# Altium PCB HIL_RIG_REV_1_2.PcbDoc (part 12 of 14)
Units mil, origin at the board's own origin, x right, y up, seen from the top; angles counter-clockwise.
Board outline 9845 x 7590 mil, 6 copper layers (Top Layer, Int1 (GND), Int2 (PWR), Int3 (Sign), Int4 (GND), Bottom Layer), stack 60.566 mil thick; 1465 components, 731 nets, 4058 pads, 3944 vias.
Unrouted connection lines stored in the file: 1754.
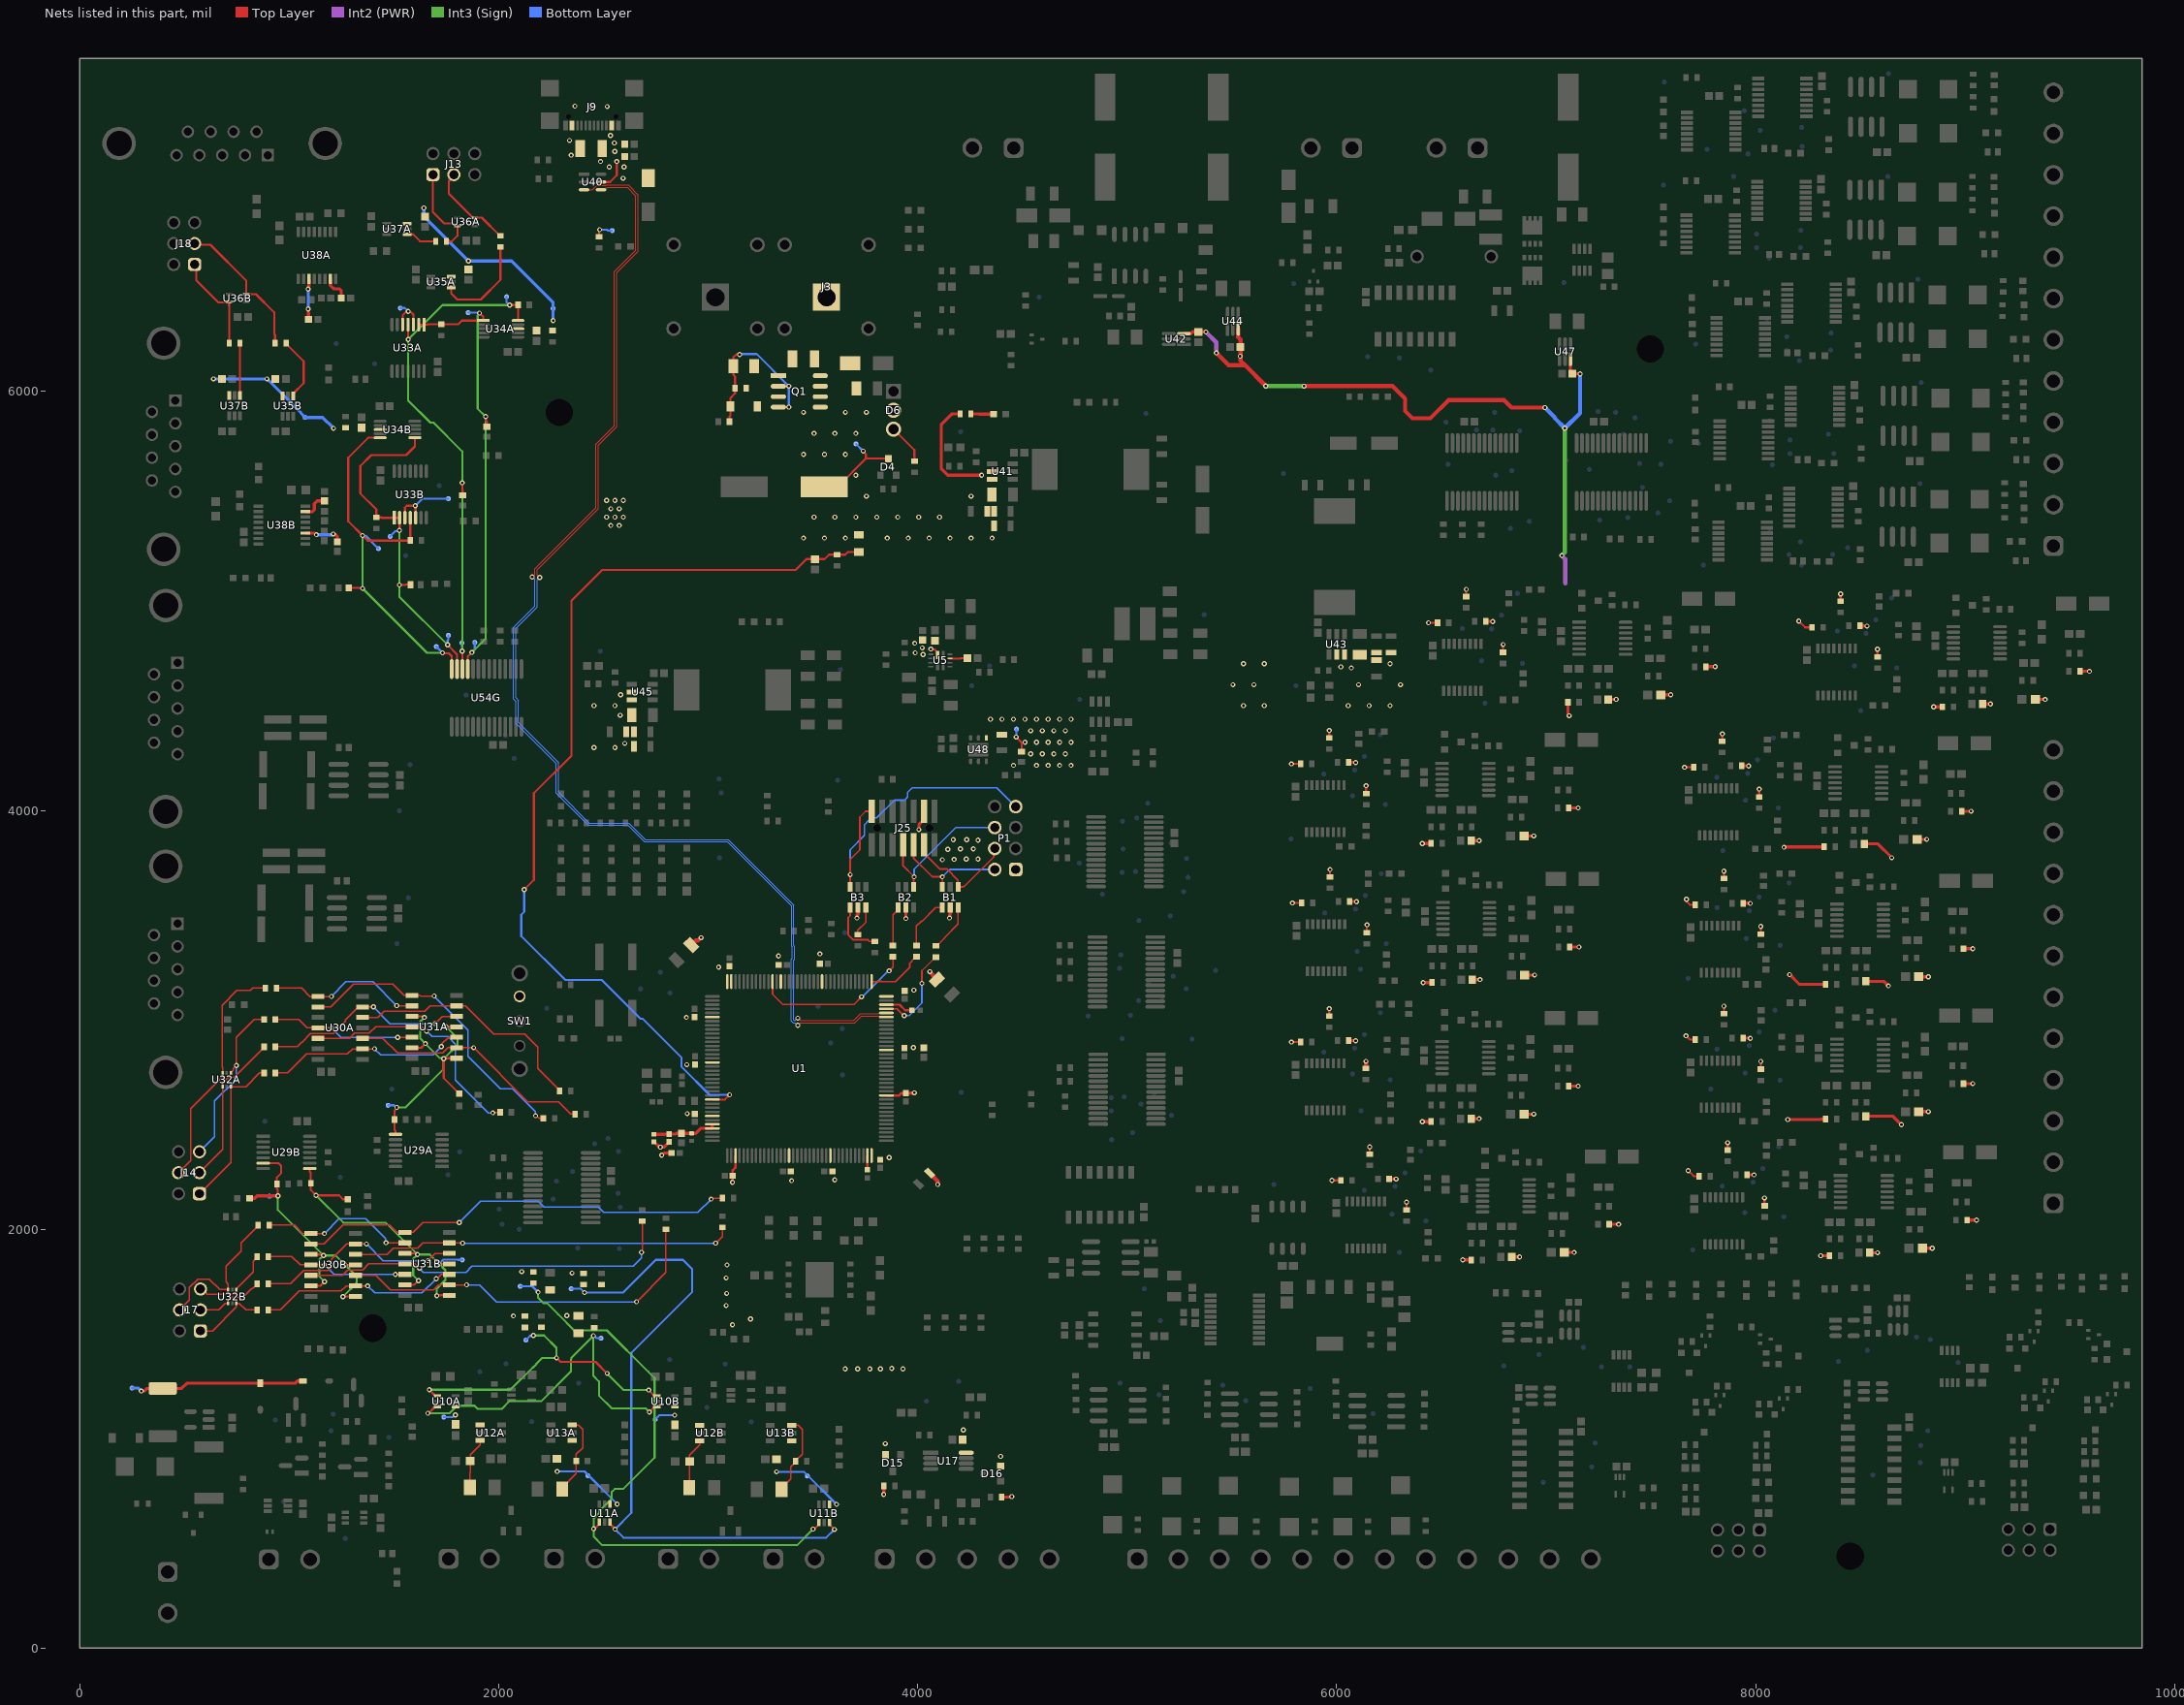
[diagram p16: the nets of this part, all layers, seen from the top]

## Via types
v1: diameter 24, hole 12, Top Layer to Bottom Layer, tented both sides, 3944 vias

## Nets (pads, with @x,y where several pads share a name; then routed paths per layer and width w, separated by ;. In a path a pad name is that pad's centre, name@x,y a point inside that pad or via, vN(x,y) a via of type N, cw(c..) or ccw(c..) an arc to the next point about the centre after c; other vN are vias at no path point) (continued)
SPI_MASTER_N_ENABLEB: D47C.1 R85B.2 TP48B.1 U29B.6 U30B.1 U30B.4 U30B.10 U30B.13 | length 1504.2
  Top Layer w10: U29B.6@876.05,2315.82 948.18,2315.82 962,2302 962,2268 941.36,2247.36 R85B.2@941.36,2216.98 941.36,2192.99 946,2188.35 v1(946,2160) ; U30B.13@1106.98,1730.04 1148.67,1730.04 v1(1168.67,1750.04) ; U30B.10@1106.98,1880.04 1154.88,1880.04 1159.88,1875.04 v1(1163.67,1875.04) ; v1(1256,1678) 1258.04,1680.04 U30B.1@1316.63,1680.04 ; v1(1267,1830.04) U30B.4@1313.67,1830.04
  Top Layer w15: D47C.1@811.53,2148 835.28,2148 847.28,2160 v1(946,2160)
  Int3 (Sign) w10: v1(946,2160) 946,2092.72 v1(1163.67,1875.04) ; v1(1168.67,1750.04) 1143.67,1775.04 1143.67,1855.04 v1(1163.67,1875.04) ; v1(1256,1678) 1322,1744 1322,1775.04 v1(1267,1830.04) 1222,1875.04 v1(1163.67,1875.04)
  Bottom Layer w10: TP48B.1@906,2158 944,2158 v1(946,2160)
SPI_MISO_OUT_UNPROTECTEDA: R88A.1 U30A.2 U31A.3 | length 960.1
  Top Layer w6.12: R88A.1@939.56,2746.72 992,2746.72 1082,2836.72 1277.28,2836.72 1302.28,2861.72 U30A.2@1349.95,2861.72 v1(1407.33,2861.67) ; v1(1726,2872) 1729.42,2875.42 1729.42,2886.35 1759.79,2916.72 U31A.3@1798.3,2916.72
  Bottom Layer w6.12: v1@1407.43,2861.67 1437.11,2832 1686,2832 v1(1726,2872)
SPI_MISO_OUT_UNPROTECTEDB: R88B.1 U30B.2 U31B.3 | length 957.2
  Top Layer w6.12: R88B.1@906.23,1615.04 958.67,1615.04 1048.67,1705.04 1246.96,1705.04 1271.96,1730.04 U30B.2@1316.63,1730.04 ; U30B.2@1316.63,1730.04 v1(1374,1730) ; v1(1702,1764) 1705.42,1764 1726.46,1785.04 U31B.3@1764.97,1785.04
  Bottom Layer w6.12: v1@1374.11,1730 1408.11,1696 1634,1696 v1(1702,1764)
SPI_MISO_OUTA: J14.1 R88A.2 U32A.6 | length 759
  Top Layer w6.12: J14.1@571.65,2170 721.69,2320.03 U32A.6@721.69,2681.01 793.68,2681.01 859.39,2746.72 R88A.2@880.36,2746.72
SPI_MISO_OUTB: J17.1 R88B.2 U32B.6 | length 347.8
  Top Layer w6.12: J17.1@576.65,1515 634.02,1515 747.85,1628.82 U32B.6@747.85,1646.17 761.75,1646.17 792.88,1615.04 R88B.2@847.03,1615.04
SPI_MISOA: R198.1 U30A.3 U31A.2 | length 1188.9
  Top Layer w6.12: U30A.3@1347,2911.72 1447,2911.72 1517,2841.72 1733.72,2841.72 1758.72,2866.72 U31A.2@1798.3,2866.72 v1(1880.33,2866.72) 2139.04,2608 2286.39,2608 2344.39,2550 R198.1@2365.36,2550
SPI_MISOB: R193.1 U30B.3 U31B.2 | length 1821.2
  Top Layer w6.12: U30B.3@1313.67,1780.04 1413.67,1780.04 1483.67,1710.04 1688.04,1710.04 1700,1722 1713.04,1735.04 U31B.2@1764.97,1735.04 v1(1847,1735.04) ; v1(2658,1654) 2797.71,1793.71 2797.71,1978.75 2798,1979.03 R193.1@2798,2000
  Bottom Layer w6.12: v1(1847,1735.04) 1908.96,1735.04 1990,1654 v1(2658,1654)
SPI_MOSI_OUT_UNPROTECTEDA: R89A.1 U30A.6 U31A.5 | length 991.6
  Top Layer w6.12: R89A.1@933.64,2871.72 1039.13,2871.72 1060.77,2893.36 1061.12,2893.36 1102.29,2934.53 1210.17,2934.53 1268.4,2992.76 1268.4,2998.86 1331.25,3061.72 v1(1402,3061.72) ; v1(1695.33,2981.72) 1730.33,3016.72 U31A.5@1795.35,3016.72
  Bottom Layer w6.12: v1(1402,3061.72) 1482,2981.72 v1(1695.33,2981.72)
SPI_MOSI_OUT_UNPROTECTEDB: R89B.1 U30B.6 U31B.5 | length 1011.5
  Top Layer w6.12: R89B.1@900.32,1740.04 1005.8,1740.04 1027.45,1761.69 1027.79,1761.69 1068.59,1802.49 1186.49,1802.49 1200,1816 1200,1856 1244.91,1900.91 1274.04,1930.04 U30B.6@1316.63,1930.04 v1(1368.67,1930.04) ; v1(1662,1850.04) 1697,1885.04 U31B.5@1762.02,1885.04
  Bottom Layer w6.12: v1(1368.67,1930.04) 1448.67,1850.04 v1(1662,1850.04)
SPI_MOSI_OUTA: J14.3 R89A.2 U32A.4 | length 745.8
  Top Layer w6.12: J14.3@571.65,2270 682.31,2380.66 U32A.4@682.31,2681.01 682.31,2698.36 709.3,2725.35 737.01,2725.35 880.36,2868.7 R89A.2@880.36,2871.72
SPI_MOSI_OUTB: J17.3 R89B.2 U32B.4 | length 334.1
  Top Layer w6.12: J17.3@576.65,1615 663.4,1615 694.57,1646.17 U32B.4@708.48,1646.17 708.48,1663.52 714.71,1669.76 718.1,1669.76 724.33,1676 780,1676 821.01,1717.01 827.02,1717.01 847.03,1737.02 R89B.2@847.03,1740.04
SPI_MOSIA: R200.1 U30A.5 U31A.6 | length 1196.9
  Top Layer w6.12: U30A.5@1347,3011.72 1422,3011.72 1452,3041.72 1647,3041.72 1672,3066.72 U31A.6@1798.3,3066.72 1841.46,3066.72 1976.18,2932 2124,2932 2186,2870 2186,2768.38 2291.36,2663.02 R200.1@2291.36,2660
SPI_MOSIB: R199.1 U30B.5 U31B.6 | length 1833.1
  Top Layer w6.12: U30B.5@1313.67,1880.04 1466.04,1880.04 1496,1910 1613.63,1910 1638.67,1935.04 U31B.6@1763.96,1935.04 ; U31B.6@1764.97,1935.04 1826.96,1935.04 v1(1828,1934) ; v1(3036,1934) 3068,1966 R199.1@3068,2009.36
  Bottom Layer w6.12: v1(1828,1934) 2764.26,1934.01 v1(3036,1934)
SPI_NCS_OUT_UNPROTECTEDA: R91A.1 U30A.11 U31A.12 | length 681.9
  Top Layer w6.12: R91A.1@939.56,3001.72 1045.33,3001.72 1085.33,2961.72 U30A.11@1137.35,2961.72 v1(1202,2961.72) ; v1(1518,2916) 1546.47,2916 1547.19,2916.72 U31A.12@1585.7,2916.72
  Bottom Layer w6.12: v1(1202,2961.72) 1247.72,2916 v1(1518,2916)
SPI_NCS_OUT_UNPROTECTEDB: R91B.1 U30B.11 U31B.12 | length 684.3
  Top Layer w6.12: R91B.1@906.23,1870.04 1012,1870.04 1052,1830.04 1106.98,1830.04 v1(1168.67,1830.04) ; v1(1507,1785.04) U31B.12@1555.33,1785.04
  Bottom Layer w6.12: v1(1168.67,1830.04) 1213.67,1785.04 v1(1507,1785.04)
SPI_NCS_OUTA: J14.5 R91A.2 U32A.1 | length 833.6
  Top Layer w6.12: U32A.1@721.69,2746.99 721.69,2750.44 733.25,2762 733.25,2767.25 v1(748,2782) 748,2917.32 832.39,3001.72 R91A.2@880.36,3001.72
  Bottom Layer w6.12: J14.5@571.65,2370 644,2442.35 644,2612 748,2716 v1(748,2782)
SPI_NCS_OUTB: J17.5 R91B.2 U32B.1 | length 399.5
  Top Layer w6.12: J17.5@576.65,1715 583.32,1715 607.91,1690.4 743.44,1690.4 747.85,1694.81 U32B.1@747.85,1712.16 747.85,1715.6 828.41,1796.17 828.41,1848.4 847.03,1867.02 R91B.2@847.03,1870.04
SPI_NCSA: R204.1 U30A.12 U31A.11 | length 1161.5
  Top Layer w6.12: U30A.12@1140.31,2911.72 1287.72,2911.72 1312,2936 1382.12,2936 1412.83,2966.72 U31A.11@1585.7,2966.72 1634.28,2966.72 v1(1655.33,2945.67) ; v1(1972,2556) 1974,2558 R204.1@2007.36,2558
  Bottom Layer w6.12: v1(1655.33,2945.67) 1681,2920 1758,2920 1794,2884 1794,2712 1950,2556 v1(1972,2556)
SPI_NCSB: R203.1 U30B.12 U31B.11 | length 1820.6
  Top Layer w6.12: U30B.12@1106.98,1780.04 1254.04,1780.04 1280,1806 1350.46,1806 1379.51,1835.04 U31B.11@1552.37,1835.04 1600.96,1835.04 v1(1622,1814) ; v1(2682,1890) 2682,1894.84 2686,1898.84 R203.1@2686,2040
  Bottom Layer w6.12: v1(1622,1814) 1640.96,1795.04 1843.29,1795.04 1871.79,1823.54 2071.54,1823.54 2072,1824 2642,1824 2682,1864 v1(2682,1890)
SPI_SCLK_OUT_UNPROTECTEDA: R90A.1 U30A.8 U31A.9 | length 740.3
  Top Layer w6.12: R90A.1@938.64,3151.72 1058.84,3151.72 1098.84,3111.72 U30A.8@1137.35,3111.72 v1(1201.33,3111.67) v1(1201.33,3111.67) ; v1(1513.33,3067.67) 1546.23,3067.67 1547.19,3066.72 U31A.9@1585.7,3066.72
  Bottom Layer w6.12: v1(1201.33,3111.67) 1271.37,3181.72 1399.28,3181.72 v1(1513.33,3067.67)
SPI_SCLK_OUT_UNPROTECTEDB: R90B.1 U30B.8 U31B.9 | length 750.8
  Top Layer w6.12: R90B.1@905.32,2020.04 1025.52,2020.04 1065.52,1980.04 U30B.8@1104.03,1980.04 1142.54,1980.04 1142.58,1980 v1(1168,1980) ; v1(1462,1936) 1512.9,1936 1513.86,1935.04 U31B.9@1552.37,1935.04
  Bottom Layer w6.12: v1(1168,1980) 1238.04,2050.04 1365.96,2050.04 1460,1956 1460,1938 v1(1462,1936)
SPI_SCLK_OUTA: J14.4 R90A.2 U32A.3 | length 1127.4
  Top Layer w6.12: J14.4@471.65,2270 529.1,2327.45 529.1,2576.43 682.31,2729.64 682.31,2773.75 679.97,2776.09 679.97,3069.8 750.17,3140 814,3140 825.72,3151.72 R90A.2@885.36,3151.72
SPI_SCLK_OUTB: J17.4 R90B.2 U32B.3 | length 724.6
  Top Layer w6.12: J17.4@476.65,1615 523.28,1661.63 523.28,1721.81 563.47,1762 618.32,1762 668.16,1712.16 U32B.3@708.48,1712.16 708.48,1738.92 698,1749.39 698,1823.28 770.94,1896.22 770.94,1935.93 852.03,2017.02 R90B.2@852.03,2020.04
SPI_SCLKA: R202.1 U30A.9 U31A.8 | length 1471.6
  Top Layer w6.12: U30A.9@1137.35,3061.72 1199.37,3061.72 1307.33,3169.67 1494.23,3169.67 1547.19,3116.72 U31A.8@1585.7,3116.72 1624.21,3116.72 1626.93,3114 v1(1692,3114) ; v1(2176,2542) 2180.39,2542 2192.39,2530 R202.1@2213.36,2530
  Bottom Layer w6.12: v1(1692,3114) 1854,2952 1854,2825.39 2007.39,2672 2066,2672 2176,2562 v1(2176,2542)
SPI_SCLKB: R201.1 U30B.9 U31B.8 | length 2127.2
  Top Layer w6.12: U30B.9@1104.03,1930.04 1166.04,1930.04 1256.29,2020.29 1478.61,2020.29 1513.86,1985.04 U31B.8@1552.37,1985.04 1590.89,1985.04 1637.84,2032 v1(1812,2032) ; v1(3014,2144) 3018.84,2144 3023.86,2149.02 R201.1@3067.36,2149.02
  Bottom Layer w6.12: v1(1812,2032) 1913.06,2133.06 1980.24,2133.06 2188.94,2133.06 2216,2106 2476,2106 2502,2080 2950,2080 v1(3014,2144)
SPI_SLAVE_N_ENABLEA: D47B.1 R86A.2 TP49A.1 U29A.8 U31A.1 U31A.4 U31A.10 U31A.13 | length 1427.8
  Top Layer w10: U29A.8@1507.48,2453.77 1507.48,2469.27 1502.72,2474.03 R86A.2@1502.72,2524 1502.72,2566.93 1514,2578.21 v1(1514,2582) ; U31A.13@1588.65,2866.72 1630.35,2866.72 v1(1650.35,2886.72) ; U31A.10@1588.65,3016.72 1636.56,3016.72 1641.56,3011.72 v1(1645.35,3011.72) ; v1(1748.67,2966.72) U31A.4@1795.35,2966.72 ; U31A.1@1798.3,2816.72 1739.72,2816.72 v1(1737.67,2814.67) 1737.67,2721.86 D47B.1@1812,2647.53
  Int3 (Sign) w10: v1(1514,2582) 1554.35,2582 1737.67,2765.32 v1(1737.67,2814.67) ; v1(1645.35,3011.72) 1625.35,2991.72 1625.35,2911.72 v1(1650.35,2886.72) 1719.71,2817.35 1734.99,2817.35 v1(1737.67,2814.67) ; v1(1748.67,2966.72) 1803.67,2911.72 1803.67,2880.67 v1(1737.67,2814.67)
  Bottom Layer w10: TP49A.1@1472,2592 1500.21,2592 1510.21,2582 v1(1514,2582)
SPI_SLAVE_N_ENABLEB: D47D.1 R86B.2 TP49B.1 U29B.8 U31B.1 U31B.4 U31B.10 U31B.13 | length 1705.5
  Top Layer w10: U29B.8@1098.52,2290.23 1098.52,2274.73 1103.28,2269.97 R86B.2@1103.28,2220 1103.28,2186.72 v1(1128,2162) 1237.78,2162 1256.25,2143.53 D47D.1@1280,2143.53 ; U31B.13@1555.33,1735.04 1597.02,1735.04 v1(1617.02,1755.04) ; U31B.10@1555.33,1885.04 1603.23,1885.04 1608.23,1880.04 v1(1612.02,1880.04) ; v1(1704.35,1683) 1706.39,1685.04 U31B.1@1764.97,1685.04 ; v1(1715.35,1835.04) U31B.4@1762.02,1835.04
  Int3 (Sign) w10: v1(1128,2162) 1258,2032 1460.06,2032 v1(1612.02,1880.04) ; v1(1617.02,1755.04) 1592.02,1780.04 1592.02,1860.04 v1(1612.02,1880.04) ; v1(1704.35,1683) 1704.35,1716.35 1746,1758 1746,1804.39 v1(1715.35,1835.04) 1670.35,1880.04 v1(1612.02,1880.04)
  Bottom Layer w10: v1(1715.35,1835.04) 1736.3,1856 1804.19,1856 1806.19,1854 TP49B.1@1826,1854
SS: C43.2 U5.11 | length 84.3
  Top Layer w10: U5.11@4153.49,4725.09 4205.45,4725.09 4206.36,4726 C43.2@4237.39,4726
ST-LINK.MCU_TX_TO_STLINK_RX: B3.4 R66.2 | length 274.7
  Top Layer w8: B3.4@3678,3536.43 3678,3497.79 3668,3487.79 3668,3407.49 3693.46,3382.03 3762.99,3382.03 3770.38,3374.64 R66.2@3796,3374.64
ST-LINK.STLINK_TX_TO_MCU_RX: B3.6 R76.2 | length 146.5
  Top Layer w8: R76.2@3714,3406 3714,3426.97 3752.8,3465.77 B3.6@3752.8,3536.43
ST-LINK.SWCLK: B1.4 R70.2 | length 253.8
  Top Layer w8: R70.2@3994,3354.64 3994,3447.62 4016.38,3470 4020,3470 4086.43,3536.43 B1.4@4118,3536.43
ST-LINK.SWDIO: B1.6 R36.2 | length 229
  Top Layer w8: R36.2@4088,3352.64 4091.02,3352.64 4128.68,3390.3 4128.68,3393.32 4192.8,3457.45 B1.6@4192.8,3536.43
ST-LINK.SWO: B2.4 R61.2 | length 192.5
  Top Layer w8: R61.2@3882,3354.64 3882,3501.35 3887.86,3507.2 3888.83,3507.2 3899.48,3517.86 3906.29,3524.67 B2.4@3906.29,3536.48
STLINK_TX_TO_MCU_RX_unprot: B3.3 J25.13 P1.7 | length 1532
  Top Layer w8: B3.3@3678,3634.85 v1(3678,3693) 3678,3766 3724,3812 3724,3968 3751.76,3995.76 J25.13@3780.4,3995.76
  Bottom Layer w8: v1(3678,3693) 3678,3812 3746.6,3880.6 3746.6,3931.03 3769.88,3954.31 3780.07,3964.5 3804.5,3964.5 3889,4049 3937.94,4049 3952,4063.06 3952,4086 3974,4108 4378,4108 P1.7@4468,4018
SWCLK_mcu: R70.1 U1.109 | length 276.8
  Top Layer w8: U1.109@3779.84,3182.66 3807.31,3182.66 3807.64,3183 3828.36,3183 3828.69,3182.66 3894.8,3182.66 3962,3249.86 3962,3269.36 3972.36,3279.71 3972.36,3282.73 3990.98,3301.36 R70.1@3994,3301.36
SWCLK_unprot: B1.3 J25.6 P1.2 | length 550.3
  Top Layer w8: J25.6@3980.4,3835.52 3980.4,3772.6 4070,3683 v1(4118,3683) B1.3@4118,3634.85
  Bottom Layer w8: v1(4118,3683) 4153,3718 P1.2@4368,3718
SWDIO_mcu: R36.1 U1.105 | length 457
  Top Layer w8: U1.105@3850.71,3052.74 3901.26,3052.74 3934,3020 v1(3936,3020) ; v1(4020,3174) 4020,3234.38 4084.98,3299.36 R36.1@4088,3299.36
  Bottom Layer w8: v1(3936,3020) 3960,3020 4020,3080 v1(4020,3174)
SWDIO_unprot: B1.1 J25.4 P1.4 | length 559.4
  Top Layer w8: J25.4@4030.4,3835.52 4030.4,3795.17 4104.86,3720.71 4138.57,3720.71 4192.8,3666.47 4192.8,3646.66 B1.1@4192.8,3634.85 4216.23,3634.85 4217.8,3636.43 4221.66,3636.43 4362.76,3777.52 4362.76,3812.76 P1.4@4368,3818
SWO_mcu: R61.1 U1.133 | length 777.9
  Top Layer w8: U1.133@3307.4,3182.66 3307.4,3122.6 3356,3074 3696,3074 v1(3732,3110) ; v1(3864,3234) 3882,3252 R61.1@3882,3301.36
  Bottom Layer w8: v1(3732,3110) 3736,3110 3860,3234 v1(3864,3234)
SWO_unprot: B2.1 J25.8 P1.6 | length 726.6
  Top Layer w8: J25.8@3930.4,3835.52 3930.4,3735.6 v1(3983,3683) 3981.1,3681.1 B2.1@3981.1,3634.91
  Bottom Layer w8: v1(3983,3683) 3983,3719 4182,3918 P1.6@4368,3918
THYRISTOR_GATE: D6.3 R23.2 | length 194.6
  Top Layer w10: D6.3@3885,5819.84 3984,5720.84 3984,5688.61 3985,5687.61 R23.2@3985,5666.64
TTL_VCCBA: C96A.1 C99A.2 C102A.2 R92A.1 TP53A.1 U34A.8 U35A.6 U37A.6 | length 914.3
  Bottom Layer w15: v1(1642.5,6876) 1642.5,6835.69 v1(1855.53,6622.66) 2061.34,6622.66 2260,6424 v1(2260,6338)
TTL_VCCBB: C96B.1 C99B.2 C102B.2 R92B.1 TP53B.1 U34B.8 U35B.6 U37B.6 | length 671.9
  Bottom Layer w15: v1(639,6060) v1(894,6060) 915.21,6038.79 1056.19,5897.81 1056.19,5895.81 TP53B.1@1076,5876 1160,5876 v1(1212,5824)
UART_MODE0_CH1: R94A.1 R179N.1 TP54A.1 TP88G.1 U33A.1 U33A.2 U34A.1 U54G.25 | length 2272.3
  Top Layer w10: U33A.2@1618.4,6319.26 U33A.1@1643.99,6319.26 1659.48,6319.26 1660.86,6320.64 R94A.1@1726,6320.64 1807.13,6320.64 1824.76,6338.28 U34A.1@1926.72,6338.28 1926.72,6355.28 v1(1908,6374) ; U54G.25@1852.43,4674.8 1852.43,4734.43 v1(1872,4754) ; v1(1938,5879.77) 1938.7,5879.07 1938.7,5859.77 1944,5854.47 R179N.1@1944,5832
  Int3 (Sign) w10: v1(1872,4754) 1938,4820 v1(1938,5879.77) 1900,5917.77 1900,6362.21 1908,6370.21 v1(1908,6374)
  Bottom Layer w10: TP54A.1@1854,6376 1906,6376 v1(1908,6374) ; v1(1872,4754) 1872,4754.28 1886,4768.28 TP88G.1@1886,4802
UART_MODE0_CH2: R94B.1 R179P.1 TP54B.1 TP90G.1 U33B.1 U33B.2 U34B.1 U54G.27 | length 1718.8
  Top Layer w10: U33B.1@1501.23,5396.76 1441.86,5396.76 1439.99,5398.64 R94B.1@1416,5398.64 1416,5436.64 1340,5512.64 1340,5644 1392,5696 1558,5696 1599.78,5737.78 ; U33B.1@1502.2,5396.76 U33B.2@1526.82,5396.76 1526.82,5336.82 v1(1526,5336) ; v1(1526,5076) 1555.07,5076 1557.07,5078 R179P.1@1579.54,5078 ; U34B.1@1599.78,5778.72 1599.78,5740.22 1600,5740 ; v1(1756,4790) 1801.25,4744.75 U54G.27@1801.25,4674.8
  Int3 (Sign) w10: v1(1526,5336) v1(1526,5076) 1526,5020 v1(1756,4790)
  Bottom Layer w10: TP54B.1@1482,5308 1507.32,5333.32 1523.32,5333.32 v1(1526,5336) ; v1(1756,4790) 1756,4812.19 1760,4816.19 TP90G.1@1760,4836
UART_MODE0A_n: TP52A.1 U33A.3 U33A.5 | length 201.8
  Top Layer w10: U33A.5@1541.63,6319.26 1541.63,6363.63 1557.32,6379.32 1565.32,6379.32 v1(1568,6382) 1570.68,6379.32 1580.68,6379.32 1592.81,6367.19 U33A.3@1592.81,6319.26
  Bottom Layer w10: TP52A.1@1530,6398 1552,6398 v1(1568,6382)
UART_MODE0B_n: TP52B.1 U33B.3 U33B.5 | length 332
  Top Layer w10: U33B.3@1552.41,5396.76 1552.41,5445.84 1560.57,5454 v1(1602,5454) 1603.59,5452.41 U33B.5@1603.59,5396.76
  Bottom Layer w10: v1(1602,5454) 1636,5488 TP52B.1@1760,5488
UART_MODE1_CH1: R93A.1 R180AV.1 TP56A.1 TP89G.1 U33A.4 U34A.10 U54G.26 | length 2577.3
  Top Layer w10: U33A.4@1567.22,6319.26 1567.22,6248.78 v1(1568,6248) ; v1(1826,4760) 1826,4730.88 1826.84,4730.04 U54G.26@1826.84,4674.8 ; v1(1826,5564) 1826,5528.7 1828,5526.7 R180AV.1@1828,5504.23 ; v1(2052,6412) 2069.75,6412 2071.75,6414 R93A.1@2092.72,6414 2092.72,6353.79 2092.14,6353.21 U34A.10@2092.14,6338.28
  Int3 (Sign) w10: v1(1826,4760) v1(1826,5564) 1826,5713.36 1688.36,5851 1673.64,5851 1568,5956.64 v1(1568,6248) 1732,6412 v1(2052,6412)
  Bottom Layer w10: TP89G.1@1824,4800 1824,4780.19 1826,4778.19 v1(1826,4760) ; TP56A.1@2038,6452 2038,6426.28 2052,6412.28 v1(2052,6412)
UART_MODE1_CH2: R93B.1 R180AW.1 TP56B.1 TP91G.1 U33B.4 U34B.10 U54G.28 | length 2022.7
  Top Layer w10: R180AW.1@1284,5062 1348,5062 v1(1350,5060) ; U34B.10@1434.36,5778.72 1376.72,5778.72 1282,5684 1282,5380 v1(1350,5312) 1374,5288 R93B.1@1578,5288 U33B.4@1578,5396.76 ; v1(1732,4752) 1734.34,4749.66 1762.34,4749.66 1775.66,4736.34 U54G.28@1775.66,4674.8
  Int3 (Sign) w10: v1(1350,5312) v1(1350,5060) 1658,4752 v1(1732,4752)
  Bottom Layer w10: v1(1350,5312) 1352.09,5309.91 1366.09,5309.91 TP56B.1@1426,5250 ; TP91G.1@1702,4782 v1(1732,4752)
UART_RX_TransA: R98A.1 U37A.4 | length 147.7
  Top Layer w10: U37A.4@1562.84,6749.75 1591.51,6749.75 1624.26,6717 R98A.1@1696.94,6717
UART_RX_TransB: R98B.1 U37B.4 | length 249.9
  Top Layer w10: R98B.1@764.59,6230 764.59,6206.25 765.25,6205.59 U37B.4@765.25,5980.34
UART_TTL_RX_INA: J13.1 R98A.2 U36A.5 | length 435
  Top Layer w10: J13.1@1686,7035.35 1686,6856 1740,6802 1781.63,6802 1792.41,6791.22 1793.32,6790.31 U36A.5@1803.16,6790.31 1803.16,6742.84 1777.32,6717 R98A.2@1750.09,6717
UART_TTL_RX_INB: J18.1 R98B.2 U36B.5 | length 474.3
  Top Layer w10: J18.1@548.65,6606 556.65,6598 556.65,6529.98 661.32,6425.32 U36B.5@712.66,6425.32 712.66,6410.16 713.41,6409.41 R98B.2@713.41,6230
UART_TTL_TX_OUTA: J13.3 R96A.2 U36A.3 | length 431
  Top Layer w10: J13.3@1786,7035.35 1786,7027.49 1762,7003.49 1762,6943.68 1876,6829.69 U36A.3@1885.84,6829.69 1919.44,6829.69 2005.48,6743.64 R96A.2@2008.5,6743.64
UART_TTL_TX_OUTB: J18.3 R96B.2 U36B.3 | length 702.5
  Top Layer w10: J18.3@548.65,6706 554.65,6700 624,6700 795.34,6528.66 795.34,6465.59 U36B.3@795.34,6464.69 841.31,6464.69 928.42,6377.58 928.42,6274 932.36,6270.06 R96B.2@932.36,6230
UART_TX_TransA: R96A.1 U35A.4 | length 468.3
  Top Layer w10: U35A.4@1773.75,6497.07 1773.75,6467.75 1802.5,6439 1914.5,6439 2008.5,6533 R96A.1@2008.5,6686.42
UART_TX_TransB: R96B.1 U35B.4 | length 306.8
  Top Layer w10: R96B.1@985.64,6230 985.64,6226.98 1069,6143.62 1069,6039.45 1019.59,5990.04 U35B.4@1019.59,5978.23
USB_D_N: U1.103 U40.4 | length 5757.3
  Top Layer w5.45: v1(2160,5114) 2160.54,5114 2172.28,5125.73 2172.28,5153.07 2464,5444.79 2464,5748.19 2552.55,5836.74 2552.55,6571.28 2654.47,6673.2 2654.47,6933.53 2614,6974 2519.13,6974 2516.39,6971.25 2513.52,6971.25 2504.87,6962.6 U40.4@2488.37,6962.6 ; v1(3428,2974) 3440.01,2986 3699.87,2986 3731.35,3017.49 3815.34,3017.49 3819.46,3013.37 U1.103@3850.71,3013.37
  Bottom Layer w5.45: v1(2160,5114) 2160.54,5114 2172.28,5102.27 2172.28,4975.83 2069.83,4873.38 2069.83,4532.3 2082.72,4519.41 2082.72,4415.28 2274,4224 2274,4081.81 2427.26,3928.55 2617.12,3928.55 2695.85,3849.83 3090.17,3849.83 3397.83,3542.17 3397.83,3351.85 3400.66,3349.02 3400.66,3293.25 3396.12,3288.71 3396.12,2995.17 3406.01,2985.28 3415.53,2985.28 3426.81,2974 v1(3428,2974)
USB_D_P: U1.104 U40.3 | length 5842.2
  Top Layer w5.45: v1(2196,5112) 2195.46,5112 2183.72,5123.73 2183.72,5148.33 2475.45,5440.05 2475.45,5743.45 2564,5832 2564,6566.54 2665.92,6668.46 2665.92,6938.27 2618.74,6985.45 2514.39,6985.45 2511.65,6982.7 2467.89,6982.7 2447.79,6962.6 U40.3@2407.63,6962.6 ; v1(3428,3008) 3429.91,3008 3440.47,2997.45 3695.12,2997.45 3726.61,3028.93 3815.34,3028.93 3819.46,3033.05 U1.104@3850.71,3033.05
  Bottom Layer w5.45: v1(2196,5112) 2195.46,5112 2183.72,5100.27 2183.72,4971.09 2081.28,4868.64 2081.28,4537.04 2094.17,4524.15 2094.17,4420.02 2285.45,4228.74 2285.45,4086.55 2432,3940 2621.87,3940 2700.59,3861.28 3094.91,3861.28 3409.28,3546.91 3409.28,3356.59 3412.11,3353.76 3412.11,3288.51 3407.57,3283.97 3407.57,2999.91 3410.76,2996.72 3415.53,2996.72 3426.81,3008 v1(3428,3008)
V_MinusA: C106A.1 U38A.7 | length 128.3
  Top Layer w15: U38A.7@1196.26,6537.23 1196.5,6536.98 1196.5,6505.82 1212.32,6490 1239.08,6490 1247.86,6481.21 C106A.1@1247.86,6446
V_MinusB: C106B.1 U38B.7 | length 129.9
  Top Layer w15: U38B.7@1077.56,5425.97 1111.21,5425.97 1120,5434.75 1120,5464 1133.36,5477.36 C106B.1@1169,5477.36
V_PlusA: C105A.1 U38A.3 | length 195.5
  Top Layer w15: v1(1090.5,6394) 1091.18,6393.32 1091.18,6374.68 1091.86,6374 C105A.1@1091.86,6342 ; v1(1090.5,6489) 1092.22,6490.72 1092.22,6501.94 1094.1,6503.82 U38A.3@1094.1,6535.44
  Bottom Layer w15: v1(1090.5,6394) v1(1090.5,6489)
V_PlusB: C105B.1 U38B.3 | length 186.7
  Top Layer w15: U38B.3@1077.56,5323.6 1119.96,5323.6 1127.56,5316 v1(1130,5316) ; v1(1210.21,5319.3) 1211.94,5317.57 1218.78,5317.57 1230,5306.35 C105B.1@1230,5282